# Altium PCB PA_8CH_CTRL.PcbDoc (part 8 of 11) (continued)
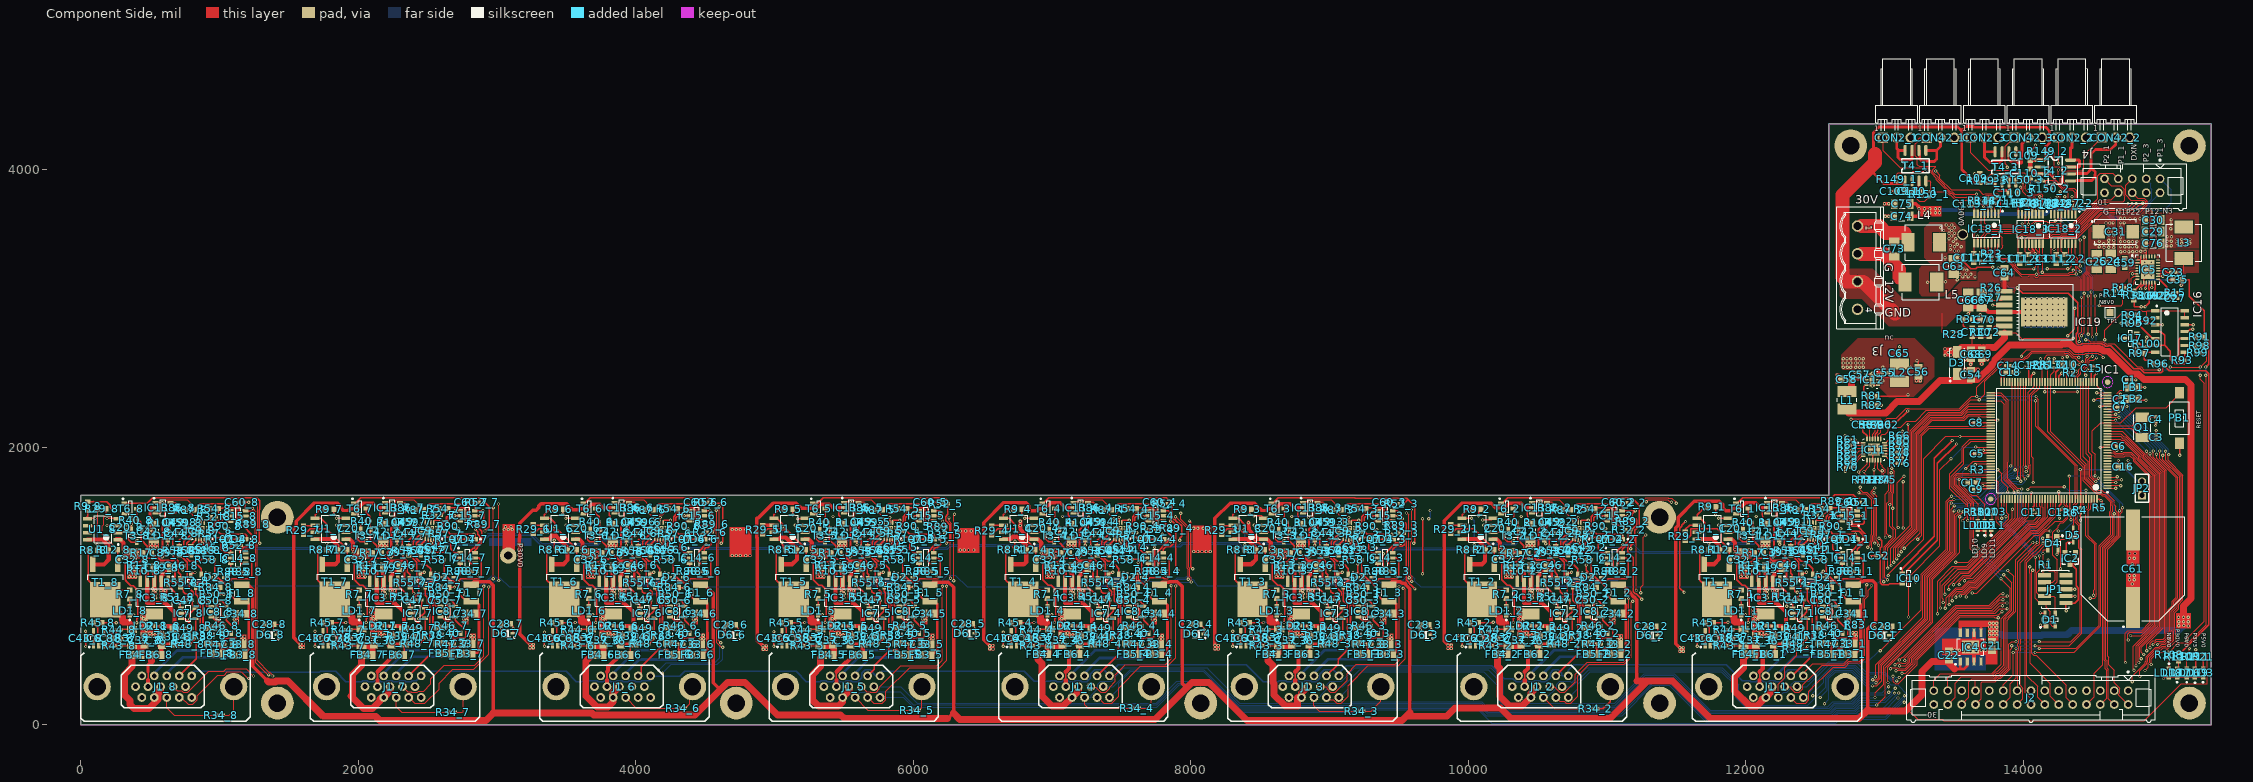
[diagram p0: Component Side view]
## Nets (pads, with @x,y where several pads share a name; then routed paths per layer and width w, separated by ;. In a path a pad name is that pad's centre, name@x,y a point inside that pad or via, vN(x,y) a via of type N, cw(c..) or ccw(c..) an arc to the next point about the centre after c; other vN are vias at no path point) (continued)
  Component Side w10: T6_8.1@307.28,1588.46 T6_8.1@314.37,1595.55 479.57,1595.55 519.42,1635.4 905.51,1635.4 906.92,1636.81 1266.73,1636.81 1289.37,1614.17 1289.37,1550.7 1288.21,1549.54 1288.21,1310.21 v2(1289.37,1309.06) ; R52_8.2@1158.5,1295 1172.95,1280.55 1172.95,1275 ; IC14_8.4@1187.15,1164.6 1183.74,1161.19 1162,1161.19 1145,1178.19 1145,1239.17 1146,1240.17 1146,1248.05 1172.95,1275 ; v2(1210.63,1299.21) 1194.57,1283.15 1181.1,1283.15 1172.95,1275
  Signal Layer 1 w10: v2(1210.63,1299.21) 1279.53,1299.21 v2(1289.37,1309.06)
NetIC14_8_6: IC14_8.6 R32_8.2 R54_8.1 | length 598.1
  Component Side w10: R32_8.2@978.5,1500 978.5,1503.5 993.5,1518.5 R54_8.1@993.5,1557 999.5,1563 1024,1563 1026.33,1565.33 1105.86,1565.33 1126,1545.19 1126,1467 1155,1438 1166.63,1438 1236.65,1367.98 1236.65,1292.97 1210.83,1267.15 1190.88,1267.15 1187.15,1263.42 IC14_8.6@1187.15,1239.4
NetIC15_1_1: IC15_1.1 R87_1.1 R89_1.1 | length 484
  Component Side w10: R87_1.1@12433.67,1550.14 12476.67,1593.14 12663.68,1593.14 R89_1.1@12664.17,1593.64 12688.42,1593.64 12693.72,1588.33 12714.72,1588.33 12718.72,1584.33 12737.62,1584.33 12737.9,1584.61 12741.03,1581.48 12751.83,1581.48 12757.17,1576.14 12757.17,1496.5 12764.33,1489.34 12765.33,1489.34 12775.22,1479.45 12790.51,1479.45 IC15_1.1@12801.1,1468.86
NetIC15_1_6: IC15_1.6 R90_1.2 | length 48.8
  Component Side w10: R90_1.2@12653.17,1451.65 12670.39,1468.86 IC15_1.6@12694.8,1468.86
NetIC15_2_1: IC15_2.1 R87_2.1 R89_2.1 | length 569.2
  Component Side w10: R87_2.1@10740.76,1550.14 10783.76,1593.14 10970.76,1593.14 10971.26,1593.64 10995.5,1593.64 11000.81,1588.33 11021.81,1588.33 11025.81,1584.33 11044.71,1584.33 11044.99,1584.61 11048.12,1581.48 11058.92,1581.48 11064.26,1576.14 11064.26,1496.5 11081.31,1479.45 11097.6,1479.45 IC15_2.1@11108.19,1468.86 11108.19,1462.62 11166.51,1462.62 R89_2.1@11181.1,1448.03
NetIC15_2_6: IC15_2.6 R90_2.2 | length 48.8
  Component Side w10: R90_2.2@10960.26,1451.65 10977.47,1468.86 IC15_2.6@11001.89,1468.86
NetIC15_3_1: IC15_3.1 R87_3.1 R89_3.1 | length 589.1
  Component Side w10: R87_3.1@9087.21,1550.14 9130.21,1593.14 9317.22,1593.14 9317.72,1593.64 9341.96,1593.64 9347.27,1588.33 9368.27,1588.33 9372.27,1584.33 9391.17,1584.33 9391.45,1584.61 9394.58,1581.48 9405.38,1581.48 9410.72,1576.14 9410.72,1496.5 9427.76,1479.45 9444.06,1479.45 IC15_3.1@9454.65,1468.86 9448.82,1463.03 9448.82,1446.85 9468.5,1446.85 9496.85,1418.5 R89_3.1@9517.72,1418.5
NetIC15_3_6: IC15_3.6 R90_3.2 | length 48.8
  Component Side w10: R90_3.2@9306.72,1451.65 9323.93,1468.86 IC15_3.6@9348.35,1468.86
NetIC15_4_1: IC15_4.1 R87_4.1 R89_4.1 | length 579.5
  Component Side w10: R87_4.1@7433.67,1550.14 7476.67,1593.14 7663.68,1593.14 7664.17,1593.64 7688.42,1593.64 7693.72,1588.33 7714.72,1588.33 7718.72,1584.33 7737.62,1584.33 7737.9,1584.61 7741.03,1581.48 7751.83,1581.48 7757.17,1576.14 7757.17,1496.5 7774.22,1479.45 7790.51,1479.45 IC15_4.1@7801.1,1468.86 7852.64,1417.32 R89_4.1@7875.2,1417.32
NetIC15_4_6: IC15_4.6 R90_4.2 | length 48.8
  Component Side w10: R90_4.2@7653.17,1451.65 7670.39,1468.86 IC15_4.6@7694.8,1468.86
NetIC15_5_1: IC15_5.1 R87_5.1 R89_5.1 | length 555.7
  Component Side w10: R87_5.1@5780.13,1550.14 5823.13,1593.14 6010.13,1593.14 6010.63,1593.64 6034.87,1593.64 6040.18,1588.33 6061.18,1588.33 6065.18,1584.33 6084.08,1584.33 6084.36,1584.61 6087.49,1581.48 6098.29,1581.48 6103.63,1576.14 6103.63,1496.5 6120.68,1479.45 6136.97,1479.45 IC15_5.1@6147.56,1468.86 6159.09,1468.86 6200.79,1427.17 R89_5.1@6201.97,1427.17
NetIC15_5_6: IC15_5.6 R90_5.2 | length 48.8
  Component Side w10: R90_5.2@5999.63,1451.65 6016.84,1468.86 IC15_5.6@6041.26,1468.86
NetIC15_6_1: IC15_6.1 R87_6.1 R89_6.1 | length 570.1
  Component Side w10: R87_6.1@4126.58,1550.14 4169.58,1593.14 4356.59,1593.14 4357.09,1593.64 4381.33,1593.64 4391.78,1583.19 4432.24,1583.19 4433.95,1581.48 4444.75,1581.48 4450.09,1576.14 4450.09,1496.5 4467.13,1479.45 4483.43,1479.45 IC15_6.1@4494.02,1468.86 4494.02,1441.02 4498.03,1437.01 4538.58,1437.01 R89_6.1@4547.24,1428.35
NetIC15_6_6: IC15_6.6 R90_6.2 | length 48.8
  Component Side w10: R90_6.2@4346.09,1451.65 4363.3,1468.86 IC15_6.6@4387.72,1468.86
NetIC15_7_1: IC15_7.1 R87_7.1 R89_7.1 | length 564.9
  Component Side w10: R87_7.1@2473.04,1550.14 2516.04,1593.14 2703.05,1593.14 2703.54,1593.64 2727.79,1593.64 2733.09,1588.33 2754.09,1588.33 2758.09,1584.33 2776.99,1584.33 2777.27,1584.61 2780.4,1581.48 2791.2,1581.48 2796.54,1576.14 2796.54,1496.5 2813.59,1479.45 2829.88,1479.45 IC15_7.1@2840.47,1468.86 2842.17,1468.86 2883.86,1427.17 2902.36,1427.17 R89_7.1@2903.54,1428.35
NetIC15_7_6: IC15_7.6 R90_7.2 | length 48.8
  Component Side w10: R90_7.2@2692.54,1451.65 2709.76,1468.86 IC15_7.6@2734.17,1468.86
NetIC15_8_1: IC15_8.1 R87_8.1 R89_8.1 | length 563.4
  Component Side w10: R87_8.1@819.5,1549 862.5,1592 1049.5,1592 1050,1592.5 1074.24,1592.5 1079.55,1587.19 1100.55,1587.19 1104.55,1583.19 1123.45,1583.19 1123.73,1583.47 1126.86,1580.34 1137.66,1580.34 1143,1575 1143,1495.35 1160.05,1478.31 1176.34,1478.31 IC15_8.1@1186.93,1467.72 1190.94,1463.7 1190.94,1446.85 1200.79,1437.01 1231.5,1437.01 R89_8.1@1240.16,1428.35
NetIC15_8_6: IC15_8.6 R90_8.2 | length 48.8
  Component Side w10: R90_8.2@1039,1450.5 1056.21,1467.72 IC15_8.6@1080.63,1467.72
NetIC16_5: IC16.5 R94.2 R95.1 | length 260.7
  Component Side w10: R94.2@14751.97,2952.76 14811.02,2893.7 R95.1@14814.96,2893.7 ; R95.1@14821.85,2893.63 14911.59,2803.89 14911.59,2803.63 14930.59,2784.63 IC16.5@14949.77,2784.63
NetIC16_7: IC16.7 R96.1 R97.2 | length 206.9
  Component Side w10: R96.1@14939.96,2601.38 14939.96,2603.35 14914.37,2628.94 14878.94,2628.94 14871.06,2636.81 R97.2@14871.06,2677.17 14878.53,2684.63 IC16.7@14949.77,2684.63
NetIC16_9: IC16.9 R98.1 R99.2 | length 128.7
  Component Side w10: IC16.9@15162.37,2734.63 15237.09,2734.63 R98.1@15238.92,2732.8 15239.91,2731.81 R99.2@15239.91,2681.8
NetIC16_10: IC16.10 R91.1 R93.1 | length 251.7
  Component Side w10: R93.1@15118.42,2628.8 15118.42,2776.8 15126.24,2784.63 IC16.10@15162.37,2784.63 ; IC16.10@15188.42,2786.8 15200.42,2798.8 R91.1@15239.92,2798.8
NetIC18_2_13: IC18_2.13
NetIC19_2: IC19.2 R27.1 | length 99.7
  Component Side w6: R27.1@13769.68,3060.24 13848.23,3060.24 IC19.2@13863.19,3075.2
NetIC19_3: IC19.3 R28.1 | length 449.9
  Component Side w6: R28.1@13498.03,2834.45 13533.27,2834.45 v2(13533.46,2834.65) ; v2(13779.53,3025.2) IC19.3@13863.19,3025.2
  Signal Layer 1 w6: v2(13533.46,2834.65) 13533.46,2844.49 13714.17,3025.2 v2(13779.53,3025.2)
NetJ1_1_14: J1_1.14 R84_1.1 T2_1.3 | length 870.9
  Component Side w10: J1_1.14@12324.25,353.54 12334.78,353.54 12480,498.76 12480,863.09 12444.17,898.92 T2_1.3@12444.17,994.72 12444.17,1004.43 12468.74,1029 12517.82,1029 R84_1.1@12553.68,993.14
NetJ1_2_14: J1_2.14 R84_2.1 T2_2.3 | length 864.3
  Component Side w10: J1_2.14@10631.34,353.54 10788,510.2 10788,862.18 10751.26,898.92 T2_2.3@10751.26,994.72 10751.26,999.52 10782.74,1031 10821,1031 10858.86,993.14 R84_2.1@10860.76,993.14
NetJ1_3_14: J1_3.14 R84_3.1 T2_3.3 | length 870.2
  Component Side w10: J1_3.14@8977.8,353.54 9062.44,438.19 9062.44,472.44 9126.55,536.55 9126.55,868.67 9099.81,895.41 9099.81,992.63 T2_3.3@9097.72,994.72 9109.19,1006.2 9109.19,1019.45 9129.74,1040 9160.36,1040 R84_3.1@9207.22,993.14
NetJ1_4_14: J1_4.14 R84_4.1 T2_4.3 | length 854.3
  Component Side w10: J1_4.14@7324.25,353.54 7476,505.29 7476,867 7446.81,896.19 7446.81,992.09 T2_4.3@7444.17,994.72 7444.17,996.43 7473.74,1026 7520.82,1026 R84_4.1@7553.68,993.14
NetJ1_5_14: J1_5.14 R84_5.1 T2_5.3 | length 859.2
  Component Side w10: J1_5.14@5670.71,353.54 5718.5,401.34 5718.5,425.5 5824,531 5824,859 5799,884 5799,953 5790.63,961.37 T2_5.3@5790.63,994.72 5790.63,1002.89 5813.55,1025.81 5867.46,1025.81 R84_5.1@5900.13,993.14
NetJ1_6_14: J1_6.14 R84_6.1 T2_6.3 | length 866.3
  Component Side w10: J1_6.14@4017.17,353.54 4040.29,376.67 4040.29,420.29 4173.92,553.92 4173.92,859.08 4152,881 4152,968 4137.09,982.91 T2_6.3@4137.09,994.72 4137.09,999.09 4151.19,1013.19 4151.19,1015.45 4167.74,1032 4207,1032 4245.86,993.14 R84_6.1@4246.59,993.14
NetJ1_7_14: J1_7.14 R84_7.1 T2_7.3 | length 860.8
  Component Side w10: J1_7.14@2363.62,353.54 2516,505.92 2516,862 2499,879 2499,919 2483.54,934.46 T2_7.3@2483.54,994.72 2483.54,995.8 2518.74,1031 2559,1031 2593.05,996.95 R84_7.1@2593.05,993.14
NetJ1_8_14: J1_8.14 R84_8.1 T2_8.3 | length 865.5
  Component Side w10: J1_8.14@710.08,352.4 834,476.32 834,583.21 862.83,612.05 862.83,859.28 842.77,879.35 842.77,926.14 829.19,939.73 829.19,992.77 T2_8.3@830,993.58 834.39,997.98 835.19,997.98 835.19,1013.45 848.55,1026.81 904.69,1026.81 R84_8.1@939.5,992
NetJ2_26: J2.26 R3.2 | length 2346.6
  Component Side w6: J2.26@13555.12,146.85 13608,199.73 13608,310 13631.54,333.54 13786.45,333.54 13811.91,359 13826.97,359 13882.27,414.3 13882.27,755.7 13905.76,779.19 13906.53,779.19 13944.81,817.47 13944.81,1189.81 v1(14069,1314) ; v1(13616,1834) 13619,1837 R3.2@13651.5,1837 ; v1(13815,1838) 13844,1809 13844,1754 13887,1711 v1(13887,1678)
  Signal Layer 1 w6: v1(13887,1678) 13895.81,1669.19 13895.81,1487.19 v1(14069,1314)
  Solder Side w6: v1(13616,1834) 13811,1834 v1(13815,1838)
NetLD1_1_2: LD1_1.2 R7_1.1 | length 55.1
  Component Side w10: LD1_1.2@11966.93,854.57 R7_1.1@11966.93,909.69
NetLD1_2_2: LD1_2.2 R7_2.1 | length 55.1
  Component Side w10: LD1_2.2@10274.02,854.57 R7_2.1@10274.02,909.69
NetLD1_3_2: LD1_3.2 R7_3.1 | length 55.1
  Component Side w10: LD1_3.2@8620.47,854.57 R7_3.1@8620.47,909.69
NetLD1_4_2: LD1_4.2 R7_4.1 | length 55.1
  Component Side w10: LD1_4.2@6966.93,854.57 R7_4.1@6966.93,909.69
NetLD1_5_2: LD1_5.2 R7_5.1 | length 55.1
  Component Side w10: LD1_5.2@5313.39,854.57 R7_5.1@5313.39,909.69
NetLD1_6_2: LD1_6.2 R7_6.1 | length 55.1
  Component Side w10: LD1_6.2@3659.84,854.57 R7_6.1@3659.84,909.69
NetLD1_7_2: LD1_7.2 R7_7.1 | length 55.1
  Component Side w10: LD1_7.2@2006.3,854.57 R7_7.1@2006.3,909.69
NetLD1_8_2: LD1_8.2 R7_8.1 | length 55.1
  Component Side w10: LD1_8.2@352.76,853.43 R7_8.1@352.76,908.54
NetLD2_1_2: LD2_1.2 R11_1.2 | length 35.6
  Component Side w20: LD2_1.2@12152.95,711.85 R11_1.2@12188.58,711.85
NetLD2_2_2: LD2_2.2 R11_2.2 | length 35.6
  Component Side w20: LD2_2.2@10460.04,711.85 R11_2.2@10495.67,711.85
NetLD2_3_2: LD2_3.2 R11_3.2 | length 35.6
  Component Side w20: LD2_3.2@8806.5,711.85 R11_3.2@8842.13,711.85
NetLD2_4_2: LD2_4.2 R11_4.2 | length 35.6
  Component Side w20: LD2_4.2@7152.95,711.85 R11_4.2@7188.58,711.85
NetLD2_5_2: LD2_5.2 R11_5.2 | length 35.6
  Component Side w20: LD2_5.2@5499.41,711.85 R11_5.2@5535.04,711.85
NetLD2_6_2: LD2_6.2 R11_6.2 | length 35.6
  Component Side w20: LD2_6.2@3845.87,711.85 R11_6.2@3881.5,711.85
NetLD2_7_2: LD2_7.2 R11_7.2 | length 35.6
  Component Side w20: LD2_7.2@2192.32,711.85 R11_7.2@2227.95,711.85
NetLD2_8_2: LD2_8.2 R11_8.2 | length 35.6
  Component Side w20: LD2_8.2@538.78,710.71 R11_8.2@574.41,710.71
NetLD3_2: LD3.2 R21.2 | length 61
  Component Side w10: LD3.2@15297.2,408.71 R21.2@15297.2,469.71
NetLD4_1_2: LD4_1.2 R107_1.1 | length 52.2
  Component Side w10: R107_1.1@12690.87,1338.94 LD4_1.2@12743.03,1338.94
NetLD4_2_2: LD4_2.2 R107_2.1 | length 52.2
  Component Side w10: R107_2.1@10997.95,1338.94 LD4_2.2@11050.12,1338.94
NetLD4_3_2: LD4_3.2 R107_3.1 | length 52.2
  Component Side w10: R107_3.1@9344.41,1338.94 LD4_3.2@9396.57,1338.94
NetLD4_4_2: LD4_4.2 R107_4.1 | length 52.2
  Component Side w10: R107_4.1@7690.87,1338.94 LD4_4.2@7743.03,1338.94
NetLD4_5_2: LD4_5.2 R107_5.1 | length 52.2
  Component Side w10: R107_5.1@6037.32,1338.94 LD4_5.2@6089.49,1338.94
NetLD4_6_2: LD4_6.2 R107_6.1 | length 52.2
  Component Side w10: R107_6.1@4383.78,1338.94 LD4_6.2@4435.94,1338.94
NetLD4_7_2: LD4_7.2 R107_7.1 | length 52.2
  Component Side w10: R107_7.1@2730.24,1338.94 LD4_7.2@2782.4,1338.94
NetLD4_8_2: LD4_8.2 R107_8.1 | length 52.2
  Component Side w10: R107_8.1@1076.69,1337.8 LD4_8.2@1128.86,1337.8
NetLD9_2: LD9.2 R101.2 | length 48.1
  Component Side w6: R101.2@13723,1518.5 13723,1477.5 LD9.2@13728,1472.5
NetLD10_2: LD10.2 R102.2 | length 43.4
  Component Side w6: R102.2@13674,1515.5 13674,1473.5 LD10.2@13675,1472.5
NetLD11_2: LD11.2 R103.2 | length 48.5
  Component Side w6: R103.2@13775,1518.5 13775,1478.5 LD11.2@13781,1472.5
NetLD12_1_1: LD12_1.1 R104_1.2 | length 70.6
  Component Side w10: LD12_1.1@12240.17,1394.64 12259.68,1414.14 R104_1.2@12259.68,1457.14
NetLD12_2_1: LD12_2.1 R104_2.2 | length 70.6
  Component Side w10: LD12_2.1@10547.26,1394.64 10566.76,1414.14 R104_2.2@10566.76,1457.14
NetLD12_3_1: LD12_3.1 R104_3.2 | length 70.6
  Component Side w10: LD12_3.1@8893.72,1394.64 8913.22,1414.14 R104_3.2@8913.22,1457.14
NetLD12_4_1: LD12_4.1 R104_4.2 | length 70.6
  Component Side w10: LD12_4.1@7240.17,1394.64 7259.68,1414.14 R104_4.2@7259.68,1457.14
NetLD12_5_1: LD12_5.1 R104_5.2 | length 70.6
  Component Side w10: LD12_5.1@5586.63,1394.64 5606.13,1414.14 R104_5.2@5606.13,1457.14
NetLD12_6_1: LD12_6.1 R104_6.2 | length 70.6
  Component Side w10: LD12_6.1@3933.09,1394.64 3952.59,1414.14 R104_6.2@3952.59,1457.14
NetLD12_7_1: LD12_7.1 R104_7.2 | length 70.6
  Component Side w10: LD12_7.1@2279.54,1394.64 2299.05,1414.14 R104_7.2@2299.05,1457.14
NetLD12_8_1: LD12_8.1 R104_8.2 | length 70.6
  Component Side w10: LD12_8.1@626,1393.5 645.5,1413 R104_8.2@645.5,1456
NetLD16_2: LD16.2 R109.2 | length 72.2
  Component Side w6: R109.2@15178.35,476.83 15178.35,418.57 LD16.2@15188.2,408.72
NetLD17_2: LD17.2 R110.1 | length 43.3
  Component Side w6: LD17.2@15119.27,408.71 R110.1@15119.27,452
NetLD18_1: LD18.1 R108.2 | length 78
  Component Side w6: LD18.1@15050.4,408.72 R108.2@15050.4,486.68
NetLD19_2: LD19.2 R111.1 | length 63.4
  Component Side w10: R111.1@15242.05,472.71 15243.05,471.71 LD19.2@15243.05,409.71
NetR7_1_2: R7_1.2 R8_1.2 R37_1.2 R44_1.2 T1_1.3 | length 867.7
  Component Side w10: R8_1.2@11672.68,1261.14 11667.28,1255.75 11667.28,1042.03 T1_1.3@11701.17,1008.14 ; T1_1.3@11791.73,903.78 11860.63,972.68 R7_1.2@11966.93,972.68 ; R44_1.2@11907.68,685 11911.73,689.06 R37_1.2@11984.17,689.06
  Component Side w50: T1_1.3@11791.73,903.78 11916.18,779.33 11916.18,758.33 11916.98,757.53 11916.98,740.83 11954.68,740.83 11971.36,724.15 11971.36,718.75 11984.17,705.94 R37_1.2@11984.17,689.06
NetR7_2_2: R7_2.2 R8_2.2 R37_2.2 R44_2.2 T1_2.3 | length 867.7
  Component Side w10: R8_2.2@9979.76,1261.14 9974.37,1255.75 9974.37,1042.03 T1_2.3@10008.26,1008.14 ; T1_2.3@10098.82,903.78 10167.72,972.68 R7_2.2@10274.02,972.68 ; R44_2.2@10214.76,685 10218.82,689.06 R37_2.2@10291.26,689.06
  Component Side w50: T1_2.3@10098.82,903.78 10223.27,779.33 10223.27,758.33 10224.07,757.53 10224.07,740.83 10261.77,740.83 10278.45,724.15 10278.45,718.75 10291.26,705.94 R37_2.2@10291.26,689.06
NetR7_3_2: R7_3.2 R8_3.2 R37_3.2 R44_3.2 T1_3.3 | length 867.7
  Component Side w10: R8_3.2@8326.22,1261.14 8320.83,1255.75 8320.83,1042.03 T1_3.3@8354.72,1008.14 ; T1_3.3@8445.28,903.78 8514.17,972.68 R7_3.2@8620.47,972.68 ; R44_3.2@8561.22,685 8565.28,689.06 R37_3.2@8637.72,689.06
  Component Side w50: T1_3.3@8445.28,903.78 8569.72,779.33 8569.72,758.33 8570.53,757.53 8570.53,740.83 8608.23,740.83 8624.91,724.15 8624.91,718.75 8637.72,705.94 R37_3.2@8637.72,689.06
NetR7_4_2: R7_4.2 R8_4.2 R37_4.2 R44_4.2 T1_4.3 | length 867.7
  Component Side w10: R8_4.2@6672.68,1261.14 6667.28,1255.75 6667.28,1042.03 T1_4.3@6701.17,1008.14 ; T1_4.3@6791.73,903.78 6860.63,972.68 R7_4.2@6966.93,972.68 ; R44_4.2@6907.68,685 6911.73,689.06 R37_4.2@6984.17,689.06
  Component Side w50: T1_4.3@6791.73,903.78 6916.18,779.33 6916.18,758.33 6916.98,757.53 6916.98,740.83 6954.69,740.83 6971.36,724.15 6971.36,718.75 6984.17,705.94 R37_4.2@6984.17,689.06
NetR7_5_2: R7_5.2 R8_5.2 R37_5.2 R44_5.2 T1_5.3 | length 867.7
  Component Side w10: R8_5.2@5019.13,1261.14 5013.74,1255.75 5013.74,1042.03 T1_5.3@5047.63,1008.14 ; T1_5.3@5138.19,903.78 5207.09,972.68 R7_5.2@5313.39,972.68 ; R44_5.2@5254.13,685 5258.19,689.06 R37_5.2@5330.63,689.06
  Component Side w50: T1_5.3@5138.19,903.78 5262.64,779.33 5262.64,758.33 5263.44,757.53 5263.44,740.83 5301.14,740.83 5317.82,724.15 5317.82,718.75 5330.63,705.94 R37_5.2@5330.63,689.06
NetR7_6_2: R7_6.2 R8_6.2 R37_6.2 R44_6.2 T1_6.3 | length 867.7
  Component Side w10: R8_6.2@3365.59,1261.14 3360.2,1255.75 3360.2,1042.03 T1_6.3@3394.09,1008.14 ; T1_6.3@3484.65,903.78 3553.54,972.68 R7_6.2@3659.84,972.68 ; R44_6.2@3600.59,685 3604.65,689.06 R37_6.2@3677.09,689.06
  Component Side w50: T1_6.3@3484.65,903.78 3609.09,779.33 3609.09,758.33 3609.9,757.53 3609.9,740.83 3647.6,740.83 3664.28,724.15 3664.28,718.75 3677.09,705.94 R37_6.2@3677.09,689.06
NetR7_7_2: R7_7.2 R8_7.2 R37_7.2 R44_7.2 T1_7.3 | length 867.7
  Component Side w10: R8_7.2@1712.05,1261.14 1706.65,1255.75 1706.65,1042.03 T1_7.3@1740.54,1008.14 ; T1_7.3@1831.1,903.78 1900,972.68 R7_7.2@2006.3,972.68 ; R44_7.2@1947.05,685 1951.1,689.06 R37_7.2@2023.54,689.06
  Component Side w50: T1_7.3@1831.1,903.78 1955.55,779.33 1955.55,758.33 1956.35,757.53 1956.35,740.83 1994.06,740.83 2010.73,724.15 2010.73,718.75 2023.54,705.94 R37_7.2@2023.54,689.06
NetR7_8_2: R7_8.2 R8_8.2 R37_8.2 R44_8.2 T1_8.3 | length 867.7
  Component Side w10: R8_8.2@58.5,1260 53.11,1254.61 53.11,1040.89 T1_8.3@87,1007 ; T1_8.3@177.56,902.64 246.46,971.54 R7_8.2@352.76,971.54 ; R44_8.2@293.5,683.86 297.56,687.91 R37_8.2@370,687.91
  Component Side w50: T1_8.3@177.56,902.64 302.01,778.19 302.01,757.19 302.81,756.39 302.81,739.69 340.51,739.69 357.19,723.01 357.19,717.61 370,704.8 R37_8.2@370,687.91
NetR8_1_1: R8_1.1 R9_1.2 U1_1.5 | length 395
  Component Side w10: v2(11702.76,1437.01) 11702.76,1456.69 11670.83,1488.62 U1_1.5@11649.02,1488.62 11649.02,1514.98 11688.4,1554.37 R9_1.2@11721.85,1554.37 ; v1(11734,1306) 11734,1259.47 R8_1.1@11735.67,1261.14
  Solder Side w10: v2(11702.76,1437.01) 11702.76,1337.24 v1(11734,1306)
NetR8_2_1: R8_2.1 R9_2.2 U1_2.5 | length 416.8
  Component Side w10: U1_2.5@9956.1,1488.62 9956.1,1514.98 9995.49,1554.37 R9_2.2@10028.94,1554.37 ; U1_2.5@9963.19,1488.62 v1(10023.74,1488.62) ; v1(10042,1298.42) 10042,1275 10035.45,1268.45 R8_2.1@10042.76,1261.14
  Solder Side w10: v1(10023.74,1488.62) 10042,1470.36 v1(10042,1298.42)
NetR8_3_1: R8_3.1 R9_3.2 U1_3.5 | length 413.2
  Component Side w10: R9_3.2@8375.39,1554.37 8341.94,1554.37 8302.56,1514.98 U1_3.5@8302.56,1488.62 8344.06,1488.62 8385.83,1446.85 v2(8385.83,1407.48) ; v1(8389,1298.96) 8389,1281 8379.18,1271.18 R8_3.1@8389.21,1261.14
  Solder Side w10: v2(8385.83,1407.48) 8389,1407.48 v1(8389,1298.96)
NetR8_4_1: R8_4.1 R9_4.2 U1_4.5 | length 416.4
  Component Side w10: R9_4.2@6721.85,1554.37 6688.4,1554.37 6649.02,1514.98 U1_4.5@6649.02,1488.62 6690.51,1488.62 6732.28,1446.85 v2(6732.28,1437.01) ; v1(6733,1323) 6733,1296.5 6716.65,1280.16 R8_4.1@6735.67,1261.14
  Solder Side w10: v1(6733,1323) v2@6733,1437.01
NetR8_5_1: R8_5.1 R9_5.2 U1_5.5 | length 397.8
  Component Side w10: v1(5056,1317) 5056,1299.05 5069,1286.05 5063.11,1280.16 R8_5.1@5082.13,1261.14 ; v2(5059.06,1427.17) 5059.06,1446.85 5017.28,1488.62 U1_5.5@4995.47,1488.62 4995.47,1514.98 5034.86,1554.37 R9_5.2@5068.31,1554.37
  Solder Side w10: v1(5056,1317) v2@5056,1427.17
NetR8_6_1: R8_6.1 R9_6.2 U1_6.5 | length 406
  Component Side w10: v1(3412,1330) 3412,1277.72 R8_6.1@3428.58,1261.14 ; R9_6.2@3414.76,1554.37 3381.32,1554.37 3341.93,1514.98 U1_6.5@3341.93,1488.62 3383.43,1488.62 3415.35,1456.69 v2(3415.35,1427.17)
  Solder Side w10: v1(3412,1330) 3412,1423.81 v2(3415.35,1427.17)
NetR8_7_1: R8_7.1 R9_7.2 U1_7.5 | length 403.2
  Component Side w10: R9_7.2@1761.22,1554.37 1727.77,1554.37 1688.39,1514.98 U1_7.5@1688.39,1488.62 1729.88,1488.62 1771.65,1446.85 v2(1771.65,1437.01) ; v1(1774,1307) 1774,1262.18 R8_7.1@1775.04,1261.14
  Solder Side w10: v2(1771.65,1437.01) 1774,1434.66 v1(1774,1307)
NetR8_8_1: R8_8.1 R9_8.2 U1_8.5 | length 379.2
  Component Side w10: U1_8.5@41.93,1487.48 v1(102.48,1487.48) ; U1_8.5@47.78,1485 37.32,1485 34.84,1487.48 51.18,1503.82 R9_8.2@51.18,1545.28 ; v1(118,1299.27) 118,1275 112.25,1269.25 R8_8.1@121.5,1260
  Solder Side w10: v1(102.48,1487.48) 118,1471.96 v1(118,1299.27)
NetR12_1_1: R12_1.1 R29_1.2 T1_1.1 | length 584.6
  Component Side w10: R29_1.2@11564.96,1326.77 11604.33,1366.14 11604.33,1413.39 11793.61,1413.39 11822,1385 11822,1323.31 11823.98,1321.34 11823.98,1320.74 11833.89,1310.83 11834.49,1310.83 11881.5,1263.82 T1_1.1@11881.5,1157.72
NetR12_1_2: R12_1.2 T1_1.2 U1_1.8 | length 395.5
  Component Side w30: U1_1.8@11649.02,1338.62 11649.2,1338.81 11760.45,1338.81 11807.52,1291.74 11807.52,1195.52 11769.72,1157.72 T1_1.2@11701.97,1157.72
NetR12_2_1: R12_2.1 R29_2.2 T1_2.1 | length 496.7
  Component Side w10: R29_2.2@9875,1379.92 9877.95,1379.92 9912.4,1414.37 10038.03,1414.37 10131.06,1321.34 10131.06,1320.74 10140.97,1310.83 10141.57,1310.83 10188.58,1263.82 T1_2.1@10188.58,1157.72
NetR12_2_2: R12_2.2 T1_2.2 U1_2.8 | length 410.4
  Component Side w30: U1_2.8@9956.1,1338.62 10061.38,1338.62 10121,1279 10121,1179 10099.72,1157.72 T1_2.2@10009.06,1157.72
NetR12_3_1: R12_3.1 R29_3.2 T1_3.1 | length 497.5
  Component Side w10: R29_3.2@8224.41,1372.05 8224.41,1375 8262.8,1413.39 8347.66,1413.39 8376.38,1384.67 8401.4,1384.67 8475.24,1310.83 8488.03,1310.83 8535.04,1263.82 T1_3.1@8535.04,1157.72
NetR12_3_2: R12_3.2 T1_3.2 U1_3.8 | length 405.5
  Component Side w30: U1_3.8@8302.56,1338.62 8406.38,1338.62 8470,1275 8470,1192 8435.72,1157.72 T1_3.2@8355.51,1157.72
NetR12_4_1: R12_4.1 R29_4.2 T1_4.1 | length 507
  Component Side w10: R29_4.2@6563.98,1369.09 6563.98,1370.08 6608.27,1414.37 6722.66,1414.37 6722.83,1414.2 6731.12,1414.2 6745.65,1399.66 6745.65,1396.71 6831.54,1310.83 6834.49,1310.83 6881.5,1263.82 T1_4.1@6881.5,1157.72
NetR12_4_2: R12_4.2 T1_4.2 U1_4.8 | length 434.5
  Component Side w30: U1_4.8@6649.02,1338.62 6702.22,1338.62 6719.41,1355.81 6749.78,1355.81 6814,1291.59 6814,1175 6796.72,1157.72 T1_4.2@6701.97,1157.72
NetR12_5_1: R12_5.1 R29_5.2 T1_5.1 | length 503.4
  Component Side w10: R29_5.2@4914.37,1375.98 4950.8,1412.42 5041.54,1412.42 5049.61,1404.35 5068.5,1404.35 5076.57,1412.42 5079.35,1412.42 5170.43,1321.34 5170.43,1320.74 5180.34,1310.83 5180.94,1310.83 5227.95,1263.82 T1_5.1@5227.95,1157.72
NetR12_5_2: R12_5.2 T1_5.2 U1_5.8 | length 408
  Component Side w30: U1_5.8@4995.47,1338.62 5031.22,1338.62 5042.41,1349.81 5081.19,1349.81 5161,1270 5161,1192 5126.72,1157.72 T1_5.2@5048.43,1157.72
NetR12_6_1: R12_6.1 R29_6.2 T1_6.1 | length 501.6
  Component Side w10: R29_6.2@3259.84,1379.92 3266.73,1379.92 3301.18,1414.37 3395.89,1414.37 3405.91,1404.35 3440.67,1404.35 3516.89,1328.14 3516.89,1320.74 3526.8,1310.83 3527.4,1310.83 3574.41,1263.82 T1_6.1@3574.41,1157.72
NetR12_6_2: R12_6.2 T1_6.2 U1_6.8 | length 432.3
  Component Side w30: U1_6.8@3341.93,1338.62 3379.19,1338.62 3379.19,1343.59 3398.41,1362.81 3425.59,1362.81 3440.7,1347.7 3508.59,1279.81 R12_6.2@3508.59,1262.14 3508.59,1187.59 3478.72,1157.72 T1_6.2@3394.88,1157.72
NetR12_7_1: R12_7.1 R29_7.2 T1_7.1 | length 501.9
  Component Side w10: R29_7.2@1605.32,1372.05 1610.24,1372.05 1652.56,1414.37 1762.03,1414.37 1762.2,1414.2 1770.49,1414.2 1863.35,1321.34 1863.35,1320.74 1873.26,1310.83 1873.86,1310.83 1920.87,1263.82 T1_7.1@1920.87,1157.72
NetR12_7_2: R12_7.2 T1_7.2 U1_7.8 | length 422
  Component Side w30: U1_7.8@1688.39,1338.62 1689.57,1339.81 1805.45,1339.81 1855.05,1290.21 R12_7.2@1855.05,1262.14 1855.05,1178.05 1834.72,1157.72 T1_7.2@1741.34,1157.72
NetR12_8_1: R12_8.1 R29_8.2 T1_8.1 | length 458.9
  Component Side w8: R29_8.2@183.07,1558.07 183.07,1515.75 165.35,1498.03 165.35,1442.91 156.5,1434.06 156.5,1372.9 264.5,1264.9 R12_8.1@264.5,1261
  Component Side w10: T1_8.1@267.32,1156.57 R12_8.1@267.32,1262.68
NetR12_8_2: R12_8.2 T1_8.2 U1_8.8 | length 413.3
  Component Side w10: U1_8.8@34.84,1337.48 U1_8.8@47.78,1337.48
  Component Side w30: U1_8.8@47.78,1335 157,1335 202,1290 202,1191 167.57,1156.57 T1_8.2@87.8,1156.57
NetR17_1_1: R17_1.1 R40_1.1 T2_1.1 T3_1.1 T6_1.3 | length 831.1
  Component Side w10: T6_1.3@12019.09,1559.29 12019.09,1486.65 12048.58,1457.17 12048.58,1334.73 12093.17,1290.14 12093.17,1251.83 12105,1240 R17_1.1@12126.5,1240 12154.25,1212.24 12154.25,1194.11 12193.17,1155.18 v1(12193.17,1153.14) ; v1(12419,1153) 12454.39,1153 12481.57,1125.81 T2_1.1@12481.57,1085.28
  Solder Side w10: v1(12193.17,1153.14) 12418.86,1153.14 v1(12419,1153)
NetR17_2_1: R17_2.1 R40_2.1 T2_2.1 T3_2.1 T6_2.3 | length 838
  Component Side w10: T6_2.3@10326.18,1559.29 10326.18,1486.65 10355.67,1457.17 10355.67,1334.73 10400.26,1290.14 10400.26,1239 10433.5,1239 10461.34,1211.16 10461.34,1194.11 10500.26,1155.18 v1(10500.26,1153.14) ; v1(10726,1153) 10761.47,1153 10788.66,1125.81 T2_2.1@10788.66,1085.28
  Solder Side w10: v1(10500.26,1153.14) 10725.86,1153.14 v1(10726,1153)
NetR17_3_1: R17_3.1 R40_3.1 T2_3.1 T3_3.1 T6_3.3 | length 838.5
  Component Side w10: T6_3.3@8672.64,1559.29 8672.64,1486.65 8702.13,1457.17 8702.13,1334.73 8746.72,1290.14 8746.72,1265.25 8747.22,1264.75 8747.22,1245 8752.22,1240 R17_3.1@8781.5,1240 ; R17_3.1@8781.5,1240.14 8786.12,1240.14 8807.79,1218.46 8807.79,1194.11 8846.72,1155.18 v1(8846.72,1153.14) ; v1(9072,1153) 9107.93,1153 9135.12,1125.81 T2_3.1@9135.12,1085.28
  Solder Side w10: v1(8846.72,1153.14) 9071.86,1153.14 v1(9072,1153)
NetR17_4_1: R17_4.1 R40_4.1 T2_4.1 T3_4.1 T6_4.3 | length 837.1
  Component Side w10: T6_4.3@7019.09,1559.29 7019.09,1486.65 7048.58,1457.17 7048.58,1319.16 7093.17,1274.57 7093.17,1246.83 7099.86,1240.14 7126.5,1240.14 7152.81,1213.83 7152.81,1201.44 7154.25,1200 7154.25,1194.11 7193.17,1155.18 v1(7193.17,1153.14) ; v1(7411,1149) 7458.39,1149 7481.57,1125.81 T2_4.1@7481.57,1085.28
  Solder Side w10: v1(7193.17,1153.14) 7196.8,1156.76 7399.55,1156.76 7407.31,1149 v1(7411,1149)